# Altium PCB Archimajor.PcbDoc (part 5 of 12)
Units mm, origin at the board's own origin, x right, y up, seen from the top; angles counter-clockwise.
Board outline 190 x 140 mm, 6 copper layers (Top Layer, Top GND, Power Plane, Mid1, Bot GND, Bottom Layer), stack 1.776 mm thick; 842 components, 658 nets, 2620 pads, 2775 vias.
Unrouted connection lines stored in the file: 128.
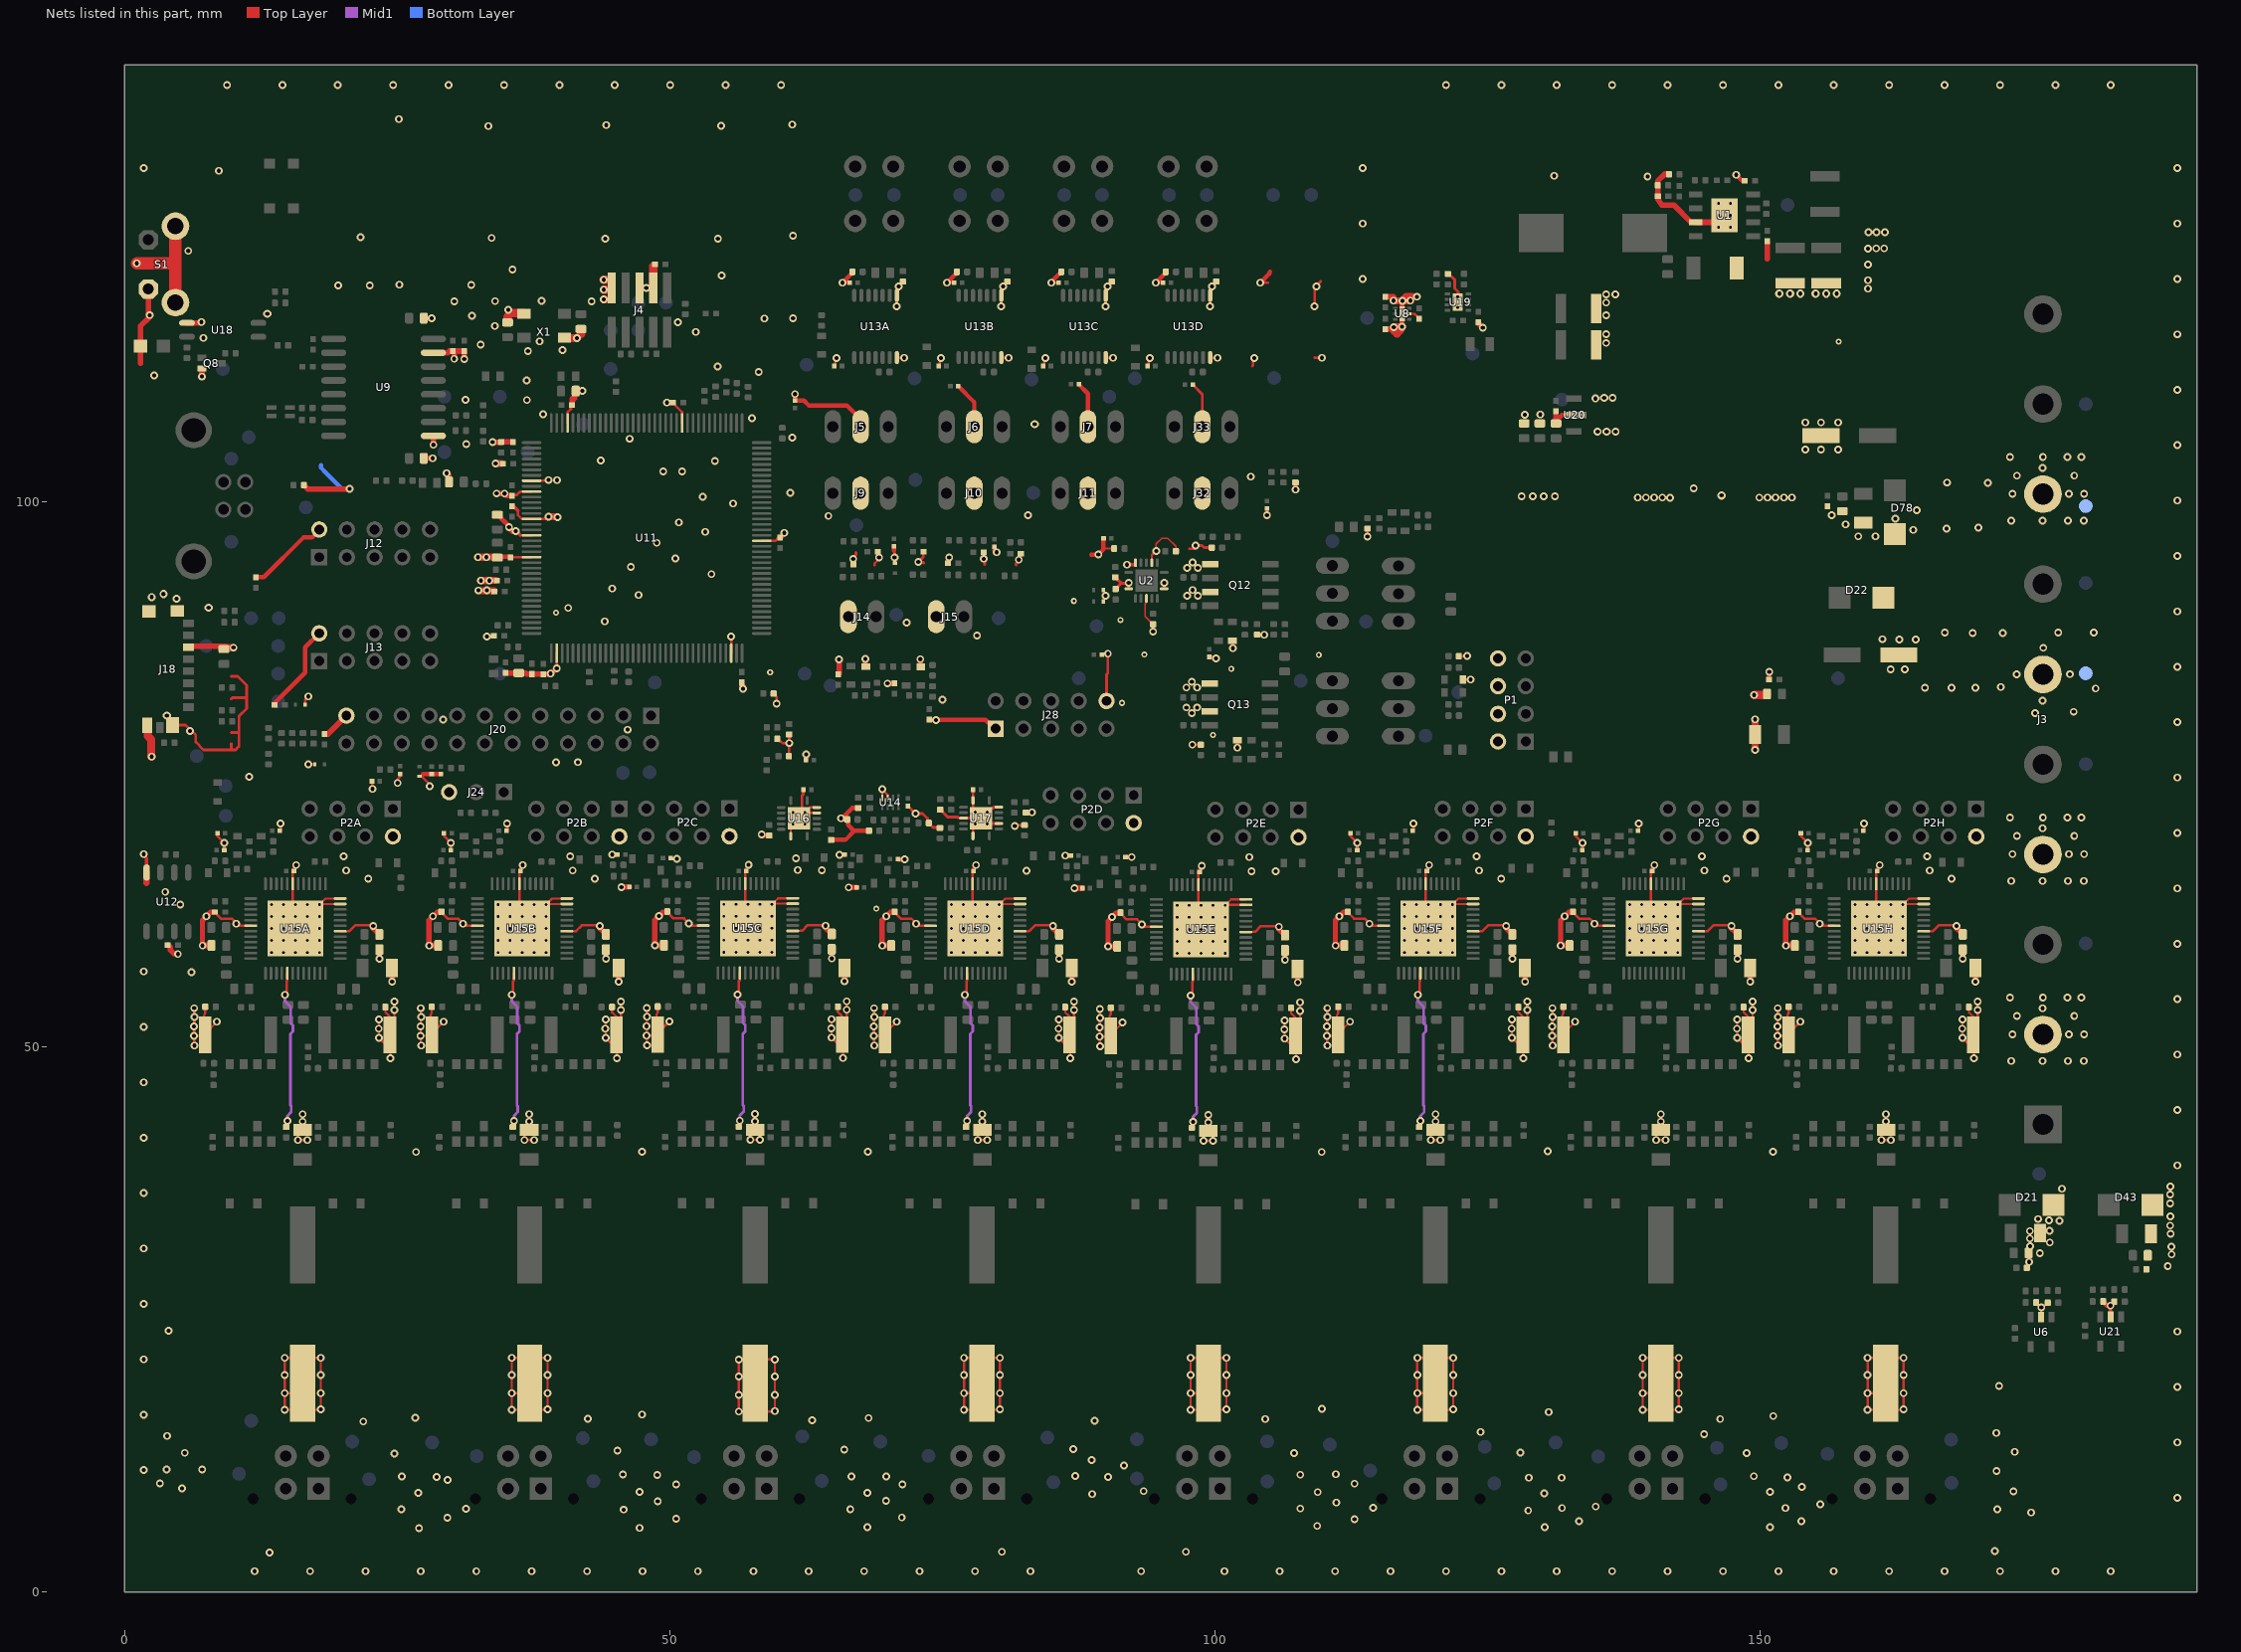
[diagram p9: the nets of this part, all layers, seen from the top]

## Via types
v1: diameter 0.711, hole 0.381, Top Layer to Bottom Layer, tented both sides, 2401 vias
v2: diameter 0.559, hole 0.254, Top Layer to Bottom Layer, 222 vias
v3: diameter 0.711, hole 0.381, Top Layer to Bottom Layer, 109 vias
v4: diameter 0.737, hole 0.381, Top Layer to Bottom Layer, tented both sides, 16 vias
v5: diameter 0.762, hole 0.381, Top Layer to Bottom Layer, 16 vias
v6: diameter 0.559, hole 0.254, Top Layer to Bottom Layer, tented both sides, 11 vias

## Nets (pads, with @x,y where several pads share a name; then routed paths per layer and width w, separated by ;. In a path a pad name is that pad's centre, name@x,y a point inside that pad or via, vN(x,y) a via of type N, cw(c..) or ccw(c..) an arc to the next point about the centre after c; other vN are vias at no path point) (continued)
GND: C2.1 C4.1 C5.1 C6.1 C7.1 C12A.2 C12B.2 C12C.2 C12D.2 C13.2 C14.1 C15.2 C16.1 C17.2 C18.2 C24.2 C25.2 C26.2 C27.2 C29.2 C30A.1 C30B.1 C30C.1 C30D.1 C33.2 C34.2 C35.2 C36.2 C37.1 C38.1 C41.1 C42.1 C45.2 C46.2 C49.2 C50.2 C51.2 C52.2 C53.1 C54.2 C55.1 C56.2 C57.1 C60A.1 C60B.1 C60C.1 C60D.1 C61A.1 C61B.1 C61C.1 C61D.1 C61E.1 C61F.1 C61G.1 C61H.1 C62A.1 C62B.1 C62C.1 C62D.1 C63.2 C64.1 C66.1 C67.1 C68.2 C69.2 C70.1 C71.1 C72.1 C73.2 C74.2 C75.2 C76.2 C77.2 C78.1 C79.2 C81.2 C82.2 C83.2 C84.2 C85.1 C86.2 C87.2 C88.2 C89.2 C90.2 C91.1 C92.1 C93.1 C94.2 C95.2 C100.1 C101.1 C102.1 C103.2 C104.1 C105.1 C106.1 C121A.1 C121B.1 C121C.1 C121D.1 C121E.1 C121F.1 C121G.1 C121H.1 C122A.1 C122B.1 C122C.1 C122D.1 C122E.1 C122F.1 C122G.1 C122H.1 C125A.1 C125B.1 C125C.1 C125D.1 C125E.1 C125F.1 C125G.1 C125H.1 C131A.1 C131B.1 C131C.1 C131D.1 C131E.1 C131F.1 C131G.1 C131H.1 C132A.1 C132B.1 C132C.1 C132D.1 C132E.1 C132F.1 C132G.1 C132H.1 C149A.1 C149B.1 C149C.1 C149D.1 C149E.1 C149F.1 C149G.1 C149H.1 C151.1 C152A.2 C152B.2 C152C.2 C152D.2 C152E.2 C152F.2 C152G.2 C152H.2 C155.2 C156.2 C157.2 C158.2 C159.2 C160.2 C161.2 C164.2 C165.1 C166.2 C167.1 C169.2 C171.1 C199.2 C200.1 C201.1 C202.2 C203.2 C204.1 C205.1 C206.1 C207.1 C208.1 C210.2 C212.2 C213.2 C214.2 C215.1 C216.2 C217.1 D1.A D2.A D21.A D22.A D24.C D29.A D37.A D43.A D44.A D45.A D52.A D56.A D57.A D71.A D72.A D73.A D78.A J3.2 J3.4 J3.6 J3.8 J4.3 J4.5 J4.9 J5.2 J6.2 J7.2 J9.2 J10.2 J11.2 J12.2 J13.2 J14.1 J15.1 J18.6 J18.9 J18.10 J18.11 J18.13 J20.23 J24.3 J28.1 J28.10 J32.2 J33.2 P1.2 P1.4 P1.6 P1.8 P2A.2 P2B.2 P2C.2 P2D.2 P2E.2 P2F.2 P2G.2 P2H.2 Q8.2 Q12.1 Q12.3 Q13.1 Q13.3 R5.1 R10.1 R49.1 R56.1 R58.1 R61.1 R66.1 R101.2 R119.1 R155.1 R158.1 R162A.1 R162B.1 R162C.1 R162D.1 R162E.1 R162F.1 R162G.1 R162H.1 R163A.2 R163B.2 R163C.2 R163D.2 R163E.2 R163F.2 R163G.2 R163H.2 R169A.1 R169B.1 R169C.1 R169D.1 R169E.1 R169F.1 R169G.1 R169H.1 R170A.2 R170B.2 R170C.2 R170D.2 R170E.2 R170F.2 R170G.2 R170H.2 R171.2 R182.2 R183.2 RV1.2 RV2.2 RV3.2 RV4.2 RV5A.2 RV5B.2 RV5C.2 RV5D.2 RV5E.2 RV5F.2 RV5G.2 RV5H.2 RV6A.2 RV6B.2 RV6C.2 RV6D.2 RV6E.2 RV6F.2 RV6G.2 RV6H.2 RV7A.2 RV7B.2 RV7C.2 RV7D.2 RV7E.2 RV7F.2 RV7G.2 RV7H.2 S1.2 S1.3 S1.4 TP51.1 TP55.1 U1.7 U1.9 U2.1 U2.4 U2.7 U2.10 U2.13 U6.2 U8.2 U8.7 U9.9 U9.15 U11.12 U11.33 U11.44 U11.46 U11.51 U11.54 U11.58 U11.74 U11.106 U11.126 U12.4 U13A.1 U13A.14 U13B.1 U13B.14 U13C.1 U13C.14 U13D.1 U13D.14 U14.3 U14.4 U15A.6 U15A.11 U15A.12 U15A.19 U15A.30 U15A.49 U15B.6 U15B.11 U15B.12 U15B.19 U15B.30 U15B.49 U15C.6 U15C.11 U15C.12 U15C.19 U15C.30 U15C.49 U15D.6 U15D.11 U15D.12 U15D.19 U15D.30 U15D.49 U15E.6 U15E.11 U15E.12 U15E.19 U15E.30 U15E.49 U15F.6 U15F.11 U15F.12 U15F.19 U15F.30 U15F.49 U15G.6 U15G.11 U15G.12 U15G.19 U15G.30 U15G.49 U15H.6 U15H.11 U15H.12 U15H.19 U15H.30 U15H.49 U16.7 U16.12 U16.13 U16.15 U17.1 U17.4 U17.7 U17.10 U17.13 U17.15 U18.3 U19.9 U20.2 U21.2 X1.2 X1.4 | length 869.4
  Top Layer w0.152: 89.768,95.603 89.845,95.68 R183.2@90.74,95.68 ; U2.4@93.699,91.107 93.674,91.083 93.674,90.708 93.564,90.597 93.564,89.466 94.075,88.955 94.075,88.949 94.297,88.727 R171.2@94.303,88.727 v1(94.303,88.059) ; v1(94.593,95.461) 94.593,96.109 95.105,96.621 95.65,96.621 96.392,95.879 96.392,95.443 R182.2@96.4,95.434
  Top Layer w0.178: U15A.6@19.782,60.585 20.472,60.585 20.487,60.6 ; U15B.6@40.557,60.585 41.247,60.585 41.262,60.6 ; J4.9@44.655,119.555 J4.9@44.679,119.579 ; U15C.6@61.265,60.61 61.955,60.61 61.97,60.625 ; U15D.6@82.107,60.585 82.797,60.585 82.812,60.6 ; U15E.6@102.815,60.51 103.505,60.51 103.52,60.525 ; U15F.6@123.657,60.585 124.347,60.585 124.362,60.6 ; U15G.6@144.308,60.585 144.998,60.585 145.013,60.6 ; U15H.6@164.958,60.585 165.648,60.585 165.663,60.6
  Top Layer w0.203: v1(6.375,50.991) v1@6.401,50.991 ; v1(6.401,53.531) v1@6.401,50.991 ; v1(6.426,50.102) 6.401,50.128 v1@6.401,50.991 ; R170A.2@7.405,53.65 7.405,53.107 7.29,52.871 R169A.1@7.412,51.075 ; v1(8.484,52.287) 7.412,51.215 R169A.1@7.412,51.075 ; v2(15.682,60.835) v2(16.782,61.935) v2(17.882,63.035) U15A.49@17.932,63.085 ; v1(16.332,43.81) v1(16.332,43.135) C61A.1@16.332,42.359 15.9,41.927 v1(15.9,41.435) v1(16.775,41.435) ; C152A.2@16.345,19.132 15.435,18.223 v1(14.695,18.223) ; D45.A@16.572,81.361 16.572,81.811 v1(16.872,82.111) ; v1(16.872,75.886) D44.A@17.447,75.886 ; U15A.11@19.782,63.085 U15A.49@17.932,63.085 ; U15A.12@19.782,63.585 18.432,63.585 U15A.49@17.932,63.085 ; RV1.2@22.7,74.335 22.723,74.311 22.723,73.66 v3(22.747,73.636) ; v1(23.343,52.49) v1(23.343,50.813) 24.384,49.772 v1(24.384,48.934) ; R163A.2@23.924,53.633 23.924,53.153 24.336,52.741 R162A.1@24.336,51.075 24.74,51.479 v1(24.74,53.353) v1(24.74,54.141) ; v3@24.825,74.31 25.272,74.757 RV2.2@25.272,75.011 ; v1(27.15,50.991) v1@27.176,50.991 ; v1(27.176,53.531) v1@27.176,50.991 ; v1(27.201,50.102) 27.176,50.128 v1@27.176,50.991 ; 27.35,74.96 27.223,74.833 27.098,74.833 D71.A@27.05,74.785 27.098,74.737 27.298,74.737 28.15,73.885 v1(27.975,73.885) ; R170B.2@28.18,53.65 28.18,53.107 28.065,52.871 R169B.1@28.187,51.075 ; v1(29.259,52.287) 28.187,51.215 R169B.1@28.187,51.075 ; v1(37.107,43.81) v1(37.107,43.135) C61B.1@37.107,42.359 36.675,41.927 v1(36.675,41.435) v1(37.55,41.435) ; C152B.2@37.155,19.132 36.246,18.223 v1(35.506,18.223) ; v2(38.657,63.035) U15B.49@38.707,63.085 ; U15B.11@40.557,63.085 U15B.49@38.707,63.085 ; U15B.12@40.557,63.585 39.207,63.585 U15B.49@38.707,63.085 ; v1(44.118,52.49) v1(44.118,50.813) 45.159,49.772 v1(45.159,48.934) ; R163B.2@44.699,53.633 44.699,53.153 45.111,52.741 R162B.1@45.111,51.075 45.515,51.479 v1(45.515,53.353) v1(45.515,54.141) ; v1@47.803,119.581 v1@47.805,119.579 ; v1(47.858,51.016) v1@47.884,51.016 ; v1(47.884,53.556) v1@47.884,51.016 ; v1(47.909,50.127) 47.884,50.152 v1@47.884,51.016 ; R170C.2@48.888,53.675 48.888,53.131 48.773,52.895 R169C.1@48.895,51.1 ; v1(49.966,52.311) 48.895,51.24 R169C.1@48.895,51.1 ; C45.2@50.47,108.835 C45.2@50.47,108.954 ; v1(57.815,43.834) v1(57.815,43.159) C61C.1@57.815,42.383 57.383,41.951 v1(57.383,41.459) v1(58.258,41.459) ; C152C.2@57.976,18.98 57.066,18.07 v1(56.326,18.07) ; v2(59.365,63.06) U15C.49@59.415,63.11 ; C64.1@59.518,82.384 59.518,82.353 59.793,82.078 v3(59.793,81.459) ; R66.1@59.848,78.234 59.848,78.214 60.025,78.037 60.045,78.037 60.112,77.97 60.191,77.97 60.327,77.834 60.933,77.834 v1(60.943,77.834) ; U16.7@61.093,69.304 61.093,70.184 U16.15@61.843,70.934 62.343,71.434 U16.12@63.474,71.434 ; U15C.11@61.265,63.11 U15C.49@59.415,63.11 ; U15C.12@61.265,63.61 59.915,63.61 U15C.49@59.415,63.11 ; U16.15@62.351,71.434 62.851,71.934 U16.13@63.474,71.934 ; v1(64.825,52.514) v1(64.825,50.838) 65.867,49.796 v1(65.867,48.958) ; R163C.2@65.407,53.657 65.407,53.177 65.732,52.852 ; R162C.1@65.742,50.052 R162C.1@65.767,50.027 ; R162C.1@65.819,52.765 65.732,52.852 ; v1(66.222,54.165) v1(66.222,53.378) 66.222,51.503 R162C.1@65.819,51.1 65.732,51.186 65.732,52.852 ; v1(68.7,50.991) v1@68.726,50.991 ; v1(68.726,53.531) v1@68.726,50.991 ; v1(68.751,50.102) 68.726,50.128 v1@68.726,50.991 ; 68.768,94.159 68.768,94.306 69.191,94.729 v3(69.191,94.861) ; U14.4@69.468,72.817 v1(69.468,73.61) 69.968,73.11 U14.3@69.968,72.817 ; R170D.2@69.73,53.65 69.73,53.107 69.615,52.871 R169D.1@69.737,51.075 ; 70.557,95.481 70.632,95.406 70.604,95.378 v4(70.604,94.862) 70.604,94.359 D1.A@70.632,94.331 ; v1(70.809,52.287) 69.737,51.215 R169D.1@69.737,51.075 ; C152D.2@78.622,19.132 77.713,18.223 v1(76.972,18.223) ; v1(78.657,43.81) v1(78.657,43.135) C61D.1@78.657,42.359 78.225,41.927 v1(78.225,41.435) v1(79.1,41.435) ; v2(80.207,63.035) U15D.49@80.257,63.085 ; v1(81.639,70.235) 81.713,70.309 C89.2@82.518,70.309 ; U15D.11@82.107,63.085 U15D.49@80.257,63.085 ; U15D.12@82.107,63.585 80.757,63.585 U15D.49@80.257,63.085 ; v1(85.668,52.49) v1(85.668,50.813) 86.709,49.772 v1(86.709,48.934) ; R163D.2@86.249,53.633 86.249,53.153 86.575,52.827 ; R162D.1@86.584,50.028 R162D.1@86.61,50.002 ; R162D.1@86.661,52.741 86.575,52.827 ; v1(87.065,54.141) v1(87.065,53.353) 87.065,51.479 R162D.1@86.661,51.075 86.575,51.162 86.575,52.827 ; v1(89.408,50.916) v1@89.434,50.916 ; v1(89.434,53.456) v1@89.434,50.916 ; v1(89.459,50.027) 89.434,50.052 v1@89.434,50.916 ; R170E.2@90.438,53.575 90.438,53.031 90.323,52.795 R169E.1@90.445,51 ; v1(91.516,52.211) 90.445,51.14 R169E.1@90.445,51 ; U2.1@92.068,91.988 92.068,92.488 92.074,92.494 v1(92.074,92.538) ; U2.10@94.199,94.369 94.199,95.089 94.571,95.461 v1(94.593,95.461) ; v1(95.324,92.538) 95.329,92.532 U2.7@95.329,91.988 ; v1(99.365,43.734) v1(99.365,43.059) C61E.1@99.365,42.283 98.933,41.851 v1(98.933,41.359) v1(99.808,41.359) ; C152E.2@99.391,19.132 98.481,18.223 v1(97.741,18.223) ; v2(100.915,62.96) U15E.49@100.965,63.01 ; U15E.11@102.815,63.01 U15E.49@100.965,63.01 ; U15E.12@102.815,63.51 101.465,63.51 U15E.49@100.965,63.01 ; v1(106.375,52.414) v1(106.375,50.738) 107.417,49.696 v1(107.417,48.858) ; R163E.2@106.957,53.557 106.957,53.077 107.282,52.752 ; R162E.1@107.292,49.952 R162E.1@107.317,49.927 ; R162E.1@107.369,52.665 107.282,52.752 ; v1(107.772,54.065) v1(107.772,53.278) 107.772,51.403 R162E.1@107.369,51 107.282,51.086 107.282,52.752 ; v1(110.25,50.991) v1@110.276,50.991 ; v1(110.276,53.531) v1@110.276,50.991 ; v1(110.301,50.102) 110.276,50.128 v1@110.276,50.991 ; R170F.2@111.28,53.65 111.28,53.107 111.165,52.871 R169F.1@111.287,51.075 ; v1(112.359,52.287) 111.287,51.215 R169F.1@111.287,51.075 ; v1(113.968,96.759) C156.2@113.968,97.509 ; U8.2@117.802,117.205 118.268,117.205 C34.2@118.716,116.757 ; C152F.2@120.18,19.132 119.27,18.223 v1(118.53,18.223) ; v1(120.207,43.81) v1(120.207,43.135) C61F.1@120.207,42.359 119.775,41.927 v1(119.775,41.435) v1(120.65,41.435) ; v2(121.757,63.035) U15F.49@121.807,63.085 ; C213.2@122.343,85.809 123.088,85.809 v1(123.106,85.827) ; D57.A@122.718,83.659 v1(123.414,83.659) ; U15F.11@123.657,63.085 U15F.49@121.807,63.085 ; U15F.12@123.657,63.585 122.307,63.585 U15F.49@121.807,63.085 ; v1(127.218,52.49) v1(127.218,50.813) 128.259,49.772 v1(128.259,48.934) ; R163F.2@127.799,53.633 127.799,53.153 128.211,52.741 R162F.1@128.211,51.075 128.615,51.479 v1(128.615,53.353) v1(128.615,54.141) ; v1(130.901,50.991) v1@130.926,50.991 ; v1(130.926,53.531) v1@130.926,50.991 ; v1(130.951,50.102) 130.926,50.128 v1@130.926,50.991 ; R170G.2@131.93,53.65 131.93,53.107 131.815,52.871 R169G.1@131.938,51.075 ; v1(133.009,52.287) 131.938,51.215 R169G.1@131.938,51.075 ; v1(140.857,43.81) v1(140.857,43.135) C61G.1@140.857,42.359 140.425,41.927 v1(140.425,41.435) v1(141.3,41.435) ; C152G.2@140.859,19.132 139.95,18.223 v1(139.21,18.223) ; v2(142.408,63.035) U15G.49@142.458,63.085 ; U15G.11@144.308,63.085 U15G.49@142.458,63.085 ; U15G.12@144.308,63.585 142.958,63.585 U15G.49@142.458,63.085 ; v1(147.868,52.49) v1(147.868,50.813) 148.909,49.772 v1(148.909,48.934) ; R163G.2@148.449,53.633 148.449,53.153 148.861,52.741 R162G.1@148.861,51.075 149.265,51.479 v1(149.265,53.353) v1(149.265,54.141) ; v1(151.551,50.991) v1@151.576,50.991 ; v1(151.576,53.531) v1@151.576,50.991 ; v1(151.602,50.102) 151.576,50.128 v1@151.576,50.991 ; R170H.2@152.58,53.65 152.58,53.107 152.465,52.871 R169H.1@152.588,51.075 ; v1(153.659,52.287) 152.588,51.215 R169H.1@152.588,51.075 ; C152H.2@161.472,19.132 160.562,18.223 v1(159.822,18.223) ; v1(161.508,43.81) v1(161.508,43.135) C61H.1@161.508,42.359 161.075,41.927 v1(161.075,41.435) v1(161.95,41.435) ; v2(163.058,63.035) U15H.49@163.108,63.085 ; U15H.11@164.958,63.085 U15H.49@163.108,63.085 ; U15H.12@164.958,63.585 163.608,63.585 U15H.49@163.108,63.085 ; v1(168.518,52.49) v1(168.518,50.813) 169.559,49.772 v1(169.559,48.934) ; R163H.2@169.1,53.633 169.1,53.153 169.511,52.741 R162H.1@169.511,51.075 169.915,51.479 v1(169.915,53.353) v1(169.915,54.141) ; R56.1@175.274,26.548 175.274,26.528 175.726,26.076 v1@175.726,26.074 ; U6.2@175.726,25.205 v1@175.726,26.074 ; R58.1@176.339,26.523 176.339,26.503 176.162,26.326 176.115,26.326 175.884,26.094 v1(175.746,26.094) v1@175.726,26.074 ; v1@6.401,50.991 7.328,50.991 R169A.1@7.412,51.075 ; v1(14.695,18.223) v1(14.695,16.697) 17.944,16.697 v1(17.994,16.748) v1(17.994,18.223) v1(17.994,19.898) v1(17.994,21.473) v1(14.695,21.473) v1(14.695,19.898) v1(14.695,18.223) ; v1@27.176,50.991 28.103,50.991 R169B.1@28.187,51.075 ; v1(35.506,18.223) v1(35.506,19.898) v1(35.506,21.473) v1(38.805,21.473) v1(38.805,19.898) v1(38.805,18.223) v1(38.805,16.748) 38.754,16.697 v1(35.506,16.697) v1(35.506,18.223) ; v1@47.884,51.016 48.811,51.016 R169C.1@48.895,51.1 ; v1(56.326,18.07) v1(56.326,16.544) 59.574,16.544 v1(59.625,16.595) v1(59.625,18.07) v1(59.625,19.745) v1(59.625,21.32) v1(56.326,21.32) v1(56.326,19.745) v1(56.326,18.07) ; v1@68.726,50.991 69.653,50.991 R169D.1@69.737,51.075 ; v1(76.972,18.223) v1(76.972,19.898) v1(76.972,21.473) v1(80.272,21.473) v1(80.272,19.898) v1(80.272,18.223) v1(80.272,16.748) 80.221,16.697 v1(76.972,16.697) v1(76.972,18.223) ; v1@89.434,50.916 90.361,50.916 R169E.1@90.445,51 ; v1(97.741,18.223) v1(97.741,19.898) v1(97.741,21.473) v1(101.04,21.473) v1(101.04,19.898) v1(101.04,18.223) v1(101.04,16.748) 100.99,16.697 v1(97.741,16.697) v1(97.741,18.223) ; v1@110.276,50.991 111.203,50.991 R169F.1@111.287,51.075 ; v1(118.53,18.223) v1(118.53,19.898) v1(118.53,21.473) v1(121.829,21.473) v1(121.829,19.898) v1(121.829,18.223) v1(121.829,16.748) 121.778,16.697 v1(118.53,16.697) v1(118.53,18.223) ; v1@130.926,50.991 131.853,50.991 R169G.1@131.938,51.075 ; v1(139.21,18.223) v1(139.21,16.697) 142.458,16.697 v1(142.509,16.748) v1(142.509,18.223) v1(142.509,19.898) v1(142.509,21.473) v1(139.21,21.473) v1(139.21,19.898) v1(139.21,18.223) ; v1@151.576,50.991 152.504,50.991 R169H.1@152.588,51.075 ; v1(159.822,18.223) v1(159.822,16.697) 163.071,16.697 v1(163.121,16.748) v1(163.121,18.223) v1(163.121,19.898) v1(163.121,21.473) v1(159.822,21.473) v1(159.822,19.898) v1(159.822,18.223)
  Top Layer w0.229: C132A.1@8.287,62.325 8.287,62.309 8.853,61.743 9.82,61.743 10.477,61.085 U15A.30@11.582,61.085 ; C149A.1@15.537,66.1 C149A.1@15.537,66.175 ; C149A.1@15.587,66.225 C149A.1@15.537,66.175 ; v2(15.682,60.835) 15.432,61.085 U15A.19@15.432,64.935 15.432,66.07 C149A.1@15.537,66.175 ; v1(15.746,66.654) 15.66,66.654 15.537,66.532 C149A.1@15.537,66.175 ; 20.487,60.6 20.637,60.6 21.162,61.125 22.759,61.125 v1(22.809,61.075) ; C132B.1@29.062,62.325 29.062,62.309 29.628,61.743 30.595,61.743 31.252,61.085 U15B.30@32.357,61.085 ; C63.2@35.433,94.933 35.487,94.88 36.362,94.88 36.37,94.888 U11.58@37.329,94.888 ; 35.814,100.597 35.966,100.597 36.195,100.826 ; 36.093,99.143 36.093,98.988 36.102,98.98 36.102,98.709 36.424,98.388 U11.51@37.329,98.388 v1@38.768,98.388 ; C149B.1@36.312,66.1 C149B.1@36.312,66.175 ; 36.322,100.888 U11.46@37.329,100.888 ; C149B.1@36.362,66.225 C149B.1@36.312,66.175 ; v2(36.457,60.835) 36.207,61.085 U15B.19@36.207,64.935 36.207,66.07 C149B.1@36.312,66.175 ; v1(36.521,66.654) 36.435,66.654 36.312,66.532 C149B.1@36.312,66.175 ; U11.44@37.329,101.888 v3@38.831,101.888 ; v3@39.629,84.753 U11.74@39.629,86.088 ; U11.33@40.629,107.188 40.629,108.176 40.922,108.469 ; 41.262,60.6 41.412,60.6 41.937,61.125 43.534,61.125 v1(43.584,61.075) ; C132C.1@49.77,62.35 49.77,62.333 50.336,61.767 51.303,61.767 51.96,61.11 U15C.30@53.065,61.11 ; C45.2@50.47,108.835 51.129,108.176 U11.12@51.129,107.188 ; U11.106@55.629,86.088 v3@55.629,87.494 ; C149C.1@57.02,66.125 C149C.1@57.02,66.2 ; C149C.1@57.07,66.25 C149C.1@57.02,66.2 ; v2(57.165,60.86) 56.915,61.11 U15C.19@56.915,64.96 56.915,66.095 C149C.1@57.02,66.2 ; v1(57.228,66.679) 57.143,66.679 57.02,66.556 C149C.1@57.02,66.2 ; U11.126@58.429,96.388 59.677,96.388 C56.2@59.968,96.678 ; 61.97,60.625 62.12,60.625 62.645,61.15 64.242,61.15 v1(64.292,61.099) ; C132D.1@70.612,62.325 70.612,62.309 71.178,61.743 72.145,61.743 72.802,61.085 U15D.30@73.907,61.085 ; C149D.1@77.862,66.1 C149D.1@77.862,66.175 ; C149D.1@77.912,66.225 C149D.1@77.862,66.175 ; v2(78.007,60.835) 77.757,61.085 U15D.19@77.757,64.935 77.757,66.07 C149D.1@77.862,66.175 ; v1(78.071,66.654) 77.985,66.654 77.862,66.532 C149D.1@77.862,66.175 ; 82.812,60.6 82.962,60.6 83.487,61.125 85.084,61.125 v1(85.134,61.075) ; C132E.1@91.32,62.25 91.32,62.233 91.886,61.667 92.853,61.667 93.51,61.01 U15E.30@94.615,61.01 ; C149E.1@98.57,66.025 C149E.1@98.57,66.1 ; C149E.1@98.62,66.15 C149E.1@98.57,66.1 ; v2(98.715,60.76) 98.465,61.01 U15E.19@98.465,64.86 98.465,65.995 C149E.1@98.57,66.1 ; v1(98.778,66.579) 98.693,66.579 98.57,66.456 C149E.1@98.57,66.1 ; 103.52,60.525 103.67,60.525 104.195,61.05 105.792,61.05 v1(105.842,60.999) ; C132F.1@112.162,62.325 112.162,62.309 112.728,61.743 113.695,61.743 114.352,61.085 U15F.30@115.457,61.085 ; C149F.1@119.412,66.1 C149F.1@119.412,66.175 ; C149F.1@119.462,66.225 C149F.1@119.412,66.175 ; v2(119.557,60.835) 119.307,61.085 U15F.19@119.307,64.935 119.307,66.07 C149F.1@119.412,66.175 ; v1(119.621,66.654) 119.535,66.654 119.412,66.532 C149F.1@119.412,66.175 ; 124.362,60.6 124.512,60.6 125.037,61.125 126.634,61.125 v1(126.684,61.075) ; C132G.1@132.813,62.325 132.813,62.309 133.379,61.743 134.345,61.743 135.003,61.085 U15G.30@136.108,61.085 ; C149G.1@140.063,66.1 C149G.1@140.063,66.175 ; C149G.1@140.113,66.225 C149G.1@140.063,66.175 ; v2(140.208,60.835) 139.958,61.085 U15G.19@139.958,64.935 139.958,66.07 C149G.1@140.063,66.175 ; v1(140.271,66.654) 140.185,66.654 140.063,66.532 C149G.1@140.063,66.175 ; 145.013,60.6 145.163,60.6 145.688,61.125 147.284,61.125 v1(147.334,61.075) ; C132H.1@153.463,62.325 153.463,62.309 154.029,61.743 154.995,61.743 155.653,61.085 U15H.30@156.758,61.085 ; C149H.1@160.713,66.1 C149H.1@160.713,66.175 ; C149H.1@160.763,66.225 C149H.1@160.713,66.175 ; v2(160.858,60.835) 160.608,61.085 U15H.19@160.608,64.935 160.608,66.07 C149H.1@160.713,66.175 ; v1(160.921,66.654) 160.836,66.654 160.713,66.532 C149H.1@160.713,66.175 ; 165.663,60.6 165.813,60.6 166.338,61.125 167.934,61.125 v1(167.985,61.075)
  Top Layer w0.254: J18.11@4.75,79.501 5.602,79.501 6.541,78.563 6.541,77.929 7.253,77.216 9.804,77.216 ; RV5A.2@8.525,69.56 8.525,69.31 v1(9.15,68.685) RV7A.2@9.15,68.01 ; 9.797,77.782 9.797,77.223 9.804,77.216 ; 9.797,78.816 10.439,78.816 10.49,78.766 ; 9.797,81.89 9.899,81.991 11.125,81.991 11.201,81.915 ; 9.797,83.947 10.393,83.947 11.201,83.139 11.201,81.915 ; RV6A.2@14.25,69.785 14.333,69.868 14.333,70.368 14.428,70.463 v1(14.302,70.463) ; RV5B.2@29.3,69.56 29.3,69.31 v1(29.925,68.685) RV7B.2@29.925,68.01 ; C29.2@30.201,113.628 30.224,113.651 C29.2@30.226,113.653 ; v1(33.223,87.607) 33.211,87.607 33.198,87.62 C169.2@33.891,87.62 ; R49.1@34.521,105.423 R49.1@34.544,105.446 ; RV6B.2@35.025,69.785 35.108,69.868 35.108,70.368 35.203,70.463 v1(35.077,70.463) ; C49.2@35.588,105.446 C49.2@35.611,105.423 ; 36.298,96.888 U11.54@37.329,96.888 ; C74.2@60.933,76.649 v1@60.933,77.834 ; v1(60.943,77.834) C79.2@60.943,78.634 ; C78.1@62.268,73.559 62.24,73.531 62.24,73.137 62.123,73.02 62.123,71.655 U16.15@62.343,71.434 ; v1(62.491,76.81) 62.491,76.761 v1@62.493,76.759 ; C62A.1@65.09,112.409 65.173,112.492 65.173,112.897 65.288,113.013 v1(65.288,113.136) ; v1(65.842,120.052) C60A.1@66.508,120.052 ; U13A.14@70.815,113.189 70.844,113.159 v1(71.49,113.159) ; v1(70.815,117.874) U13A.1@70.815,118.889 v1@70.815,119.615 ; v1(70.993,119.717) v1@70.934,119.717 ; C12A.2@71.374,120.156 v1@70.934,119.717 ; C67.1@71.843,72.059 72.518,71.384 v1(72.543,71.384) 73.168,71.384 73.618,70.934 73.618,70.634 C85.1@73.743,70.509 73.743,70.484 73.895,70.332 73.921,70.332 74.158,70.094 74.733,70.094 C88.2@74.768,70.059 ; v3@72.843,94.384 v3(72.793,94.434) 73.246,94.888 C157.2@73.246,95.379 ; 73.27,94.384 73.293,94.361 73.293,94.334 ; C62B.1@74.666,112.409 74.749,112.492 74.749,112.897 74.864,113.013 v1(74.864,113.136) ; C83.2@74.793,71.734 74.818,71.734 74.971,71.582 74.971,71.557 75.48,71.047 76.407,71.047 76.465,70.99 76.611,70.99 76.628,70.973 76.639,70.973 76.652,70.96 U17.4@76.919,70.96 U17.15@78.55,70.96 ; v1(75.418,120.052) C60B.1@76.084,120.052 ; U17.7@77.8,69.329 77.8,70.21 U17.15@78.55,70.96 ; C91.1@77.818,73.559 77.8,73.541 U17.1@77.8,72.591 77.8,71.71 v2(78,71.51) U17.15@78.55,70.96 ; U17.10@80.181,70.46 79.05,70.46 U17.15@78.55,70.96 ; U17.13@80.181,71.96 80.18,71.959 79.693,71.959 79.594,71.86 79.45,71.86 U17.15@78.55,70.96 ; U13B.14@80.391,113.189 80.42,113.159 v1(81.066,113.159) ; v1(80.391,117.874) U13B.1@80.391,118.889 v1@80.391,119.615 ; v1(80.568,119.717) v1@80.51,119.717 ; C12B.2@80.949,120.156 v1@80.51,119.717 ; C62C.1@84.241,112.409 84.324,112.492 84.324,112.897 84.44,113.013 v1(84.44,113.136) ; v1(84.994,120.052) C60C.1@85.66,120.052 ; C100.1@89.599,85.959 89.649,86.009 89.724,85.934 89.824,86.035 v1(90.167,86.035) 90.167,84.259 90.037,84.128 J28.10@90.037,81.696 ; U13C.14@89.966,113.189 89.996,113.159 v1(90.641,113.159) ; v1(89.966,117.874) U13C.1@89.966,118.889 v1@89.966,119.615 ; v1(90.144,119.717) v1@90.086,119.717 ; C12C.2@90.525,120.156 v1@90.086,119.717 ; C62D.1@93.817,112.409 93.9,112.492 93.9,112.897 94.016,113.013 v1(94.016,113.136) ; v1(94.57,120.052) C60D.1@95.236,120.052 ; 97.643,95.659 98.043,95.659 98.218,95.834 v1(98.218,95.959) 98.793,95.959 98.993,95.759 C214.2@99.693,95.759 ; v1(97.918,77.684) C212.2@98.693,77.684 ; C217.1@97.943,110.709 98.815,109.837 J33.2@98.815,106.846 ; C106.1@99.468,85.734 99.944,85.734 v1(100.068,85.61) ; U13D.14@99.542,113.189 99.572,113.159 v1(100.217,113.159) ; v1(99.542,117.874) U13D.1@99.542,118.889 v1@99.542,119.615 ; v1(99.72,119.717) v1@99.662,119.717 ; C12D.2@100.101,120.156 v1@99.662,119.717 ; D52.A@101.593,87.234 101.593,86.559 v1(101.618,86.534) ; v1(102.028,77.42) D56.A@102.028,78.084 ; 103.393,112.409 103.476,112.492 103.476,112.897 103.591,113.013 v1(103.591,113.136) ; C155.2@103.843,87.784 103.868,87.784 103.844,87.76 v1(104.493,87.76) ; v1(104.145,120.052) 104.811,120.052 ; v1(104.743,98.734) C215.1@104.743,99.342 ; 109.118,113.189 109.147,113.159 v1(109.793,113.159) ; v1(109.118,117.874) 109.118,118.889 v1@109.118,119.615 ; v1(109.296,119.717) v1@109.237,119.717 ; 109.677,120.156 v1@109.237,119.717 ; RV5F.2@112.4,69.56 112.4,69.31 v1(113.025,68.685) RV7F.2@113.025,68.01 ; U8.7@117.152,117.205 U8.2@117.802,117.205 ; RV6F.2@118.125,69.785 118.208,69.868 118.208,70.368 118.303,70.463 v1(118.177,70.463) ; R119.1@121.381,120.91 121.97,120.321 121.97,119.52 122.282,119.208 U19.9@122.282,118.286 ; RV5G.2@133.05,69.56 133.05,69.31 v1(133.675,68.685) RV7G.2@133.675,68.01 ; RV6G.2@138.775,69.785 138.858,69.868 138.858,70.368 138.953,70.463 v1(138.827,70.463) ; RV5H.2@153.7,69.56 153.7,69.31 v1(154.325,68.685) RV7H.2@154.325,68.01 ; RV6H.2@159.425,69.785 159.508,69.868 159.508,70.368 159.603,70.463 v1(159.477,70.463) ; 9.804,77.216 10.183,77.216 10.49,77.523 10.49,78.766 ; 10.49,78.766 10.49,80.29 11.201,81.001 11.201,81.915 ; v1@70.815,119.615 70.833,119.615 v1@70.934,119.717 ; v1@70.815,119.615 70.916,119.717 v1@70.934,119.717 ; v1@80.391,119.615 80.408,119.615 v1@80.51,119.717 ; v1@80.391,119.615 80.492,119.717 v1@80.51,119.717 ; v1@89.966,119.615 89.984,119.615 v1@90.086,119.717 ; v1@89.966,119.615 90.068,119.717 v1@90.086,119.717 ; v1@99.542,119.615 99.56,119.615 v1@99.662,119.717 ; v1@99.542,119.615 99.644,119.717 v1@99.662,119.717 ; v1@109.118,119.615 109.136,119.615 v1@109.237,119.717 ; v1@109.118,119.615 109.219,119.717 v1@109.237,119.717